# Allegro board HB1A-AAFM.brd (continued)
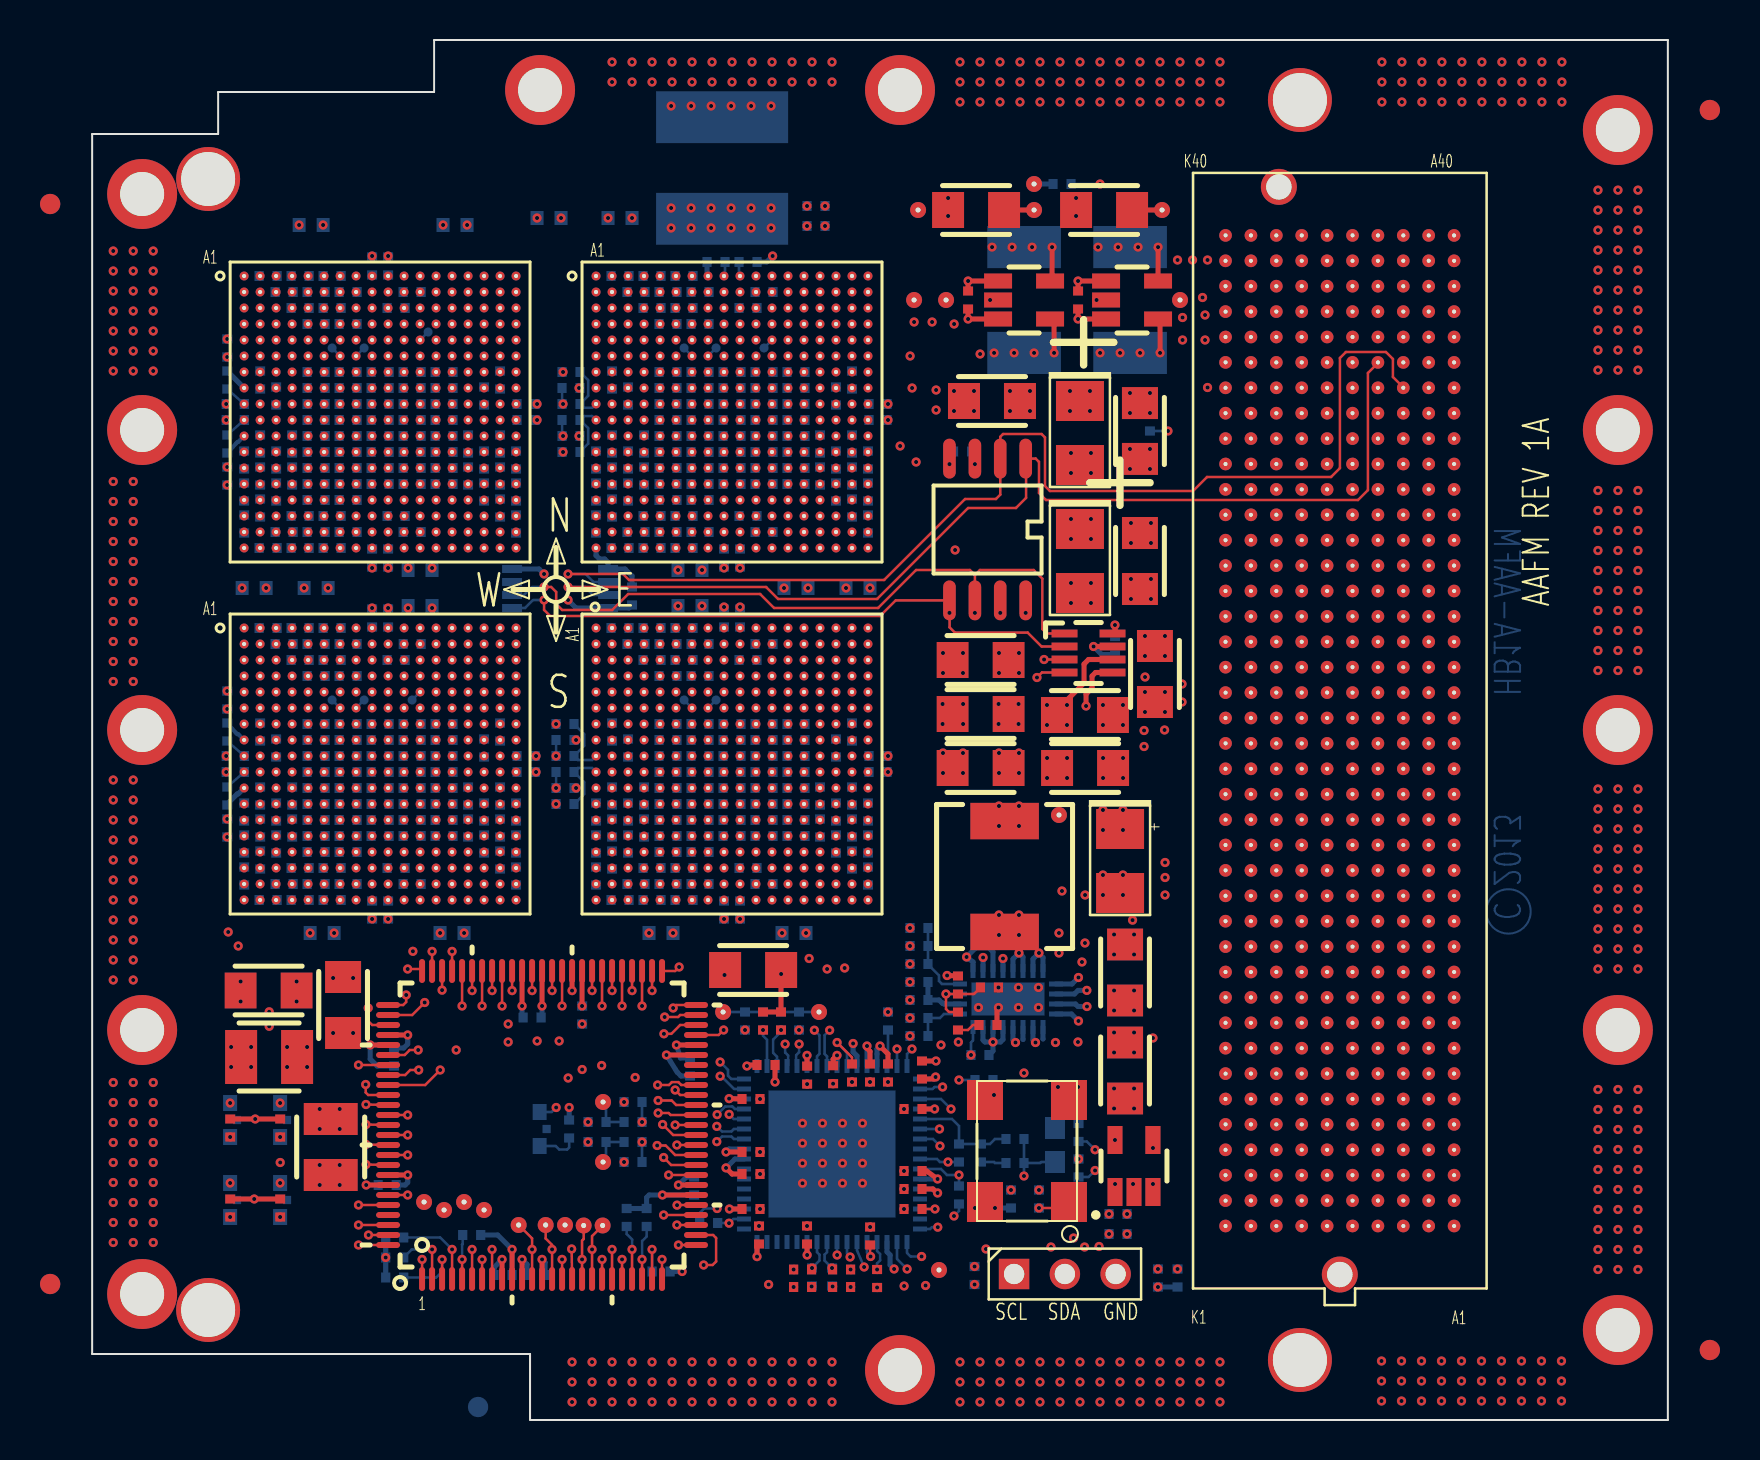
[diagram p0: board, top side]
## Footprints (pads in the part's own frame, mm; a bottom-side part is the same pattern mirrored in y, then rotated) (continued)

## Nets
GND: C1.2 C2.2 C3.2 C4.2 C5.2 C6.2 C7.2 C8.2 C9.2 C10.2 C11.2 C12.2 C13.2 C14.2 C15.2 C16.2 C17.2 C18.2 C19.2 C20.2 C21.2 C22.2 C23.2 C24.2 C25.2 C26.2 C27.2 C28.2 C29.2 C30.2 C31.2 C32.2 C33.2 C34.2 C35.2 C36.2 C37.2 C38.1 C39.2 C40.2 C41.2 C42.2 C43.2 C46.2 C47.2 C49.2 C50.2 C51.2 C52.2 C53.2 C54.2 C55.2 C56.2 C57.2 C58.2 C59.2 C60.2 C61.2 C62.2 C63.2 C64.2 C65.2 C66.2 C67.2 C68.2 C69.2 C70.2 C71.2 C72.2 C73.2 C74.2 C75.2 C76.2 C77.2 C78.2 C79.2 C80.2 C81.2 C82.2 C83.2 C84.2 C85.2 C86.2 C87.2 C88.2 C89.2 C90.2 C91.2 C92.2 C93.2 C94.2 C95.2 C96.2 C97.2 C98.2 C99.2 C100.2 C101.2 C102.2 C103.2 C104.2 C105.2 C106.2 C107.2 C108.2 C109.2 C110.2 C111.2 C112.2 C113.2 C114.2 C115.2 C116.2 C117.2 C118.2 C119.2 C120.2 C121.2 C122.2 C123.2 C124.2 C125.2 C126.2 C127.2 C128.2 C129.2 C130.2 C131.2 C132.2 C133.2 C134.2 C135.2 C136.2 C137.2 C138.2 C139.2 C140.2 C141.2 C142.2 C143.2 C144.2 C145.2 C146.2 C147.2 C148.2 C149.2 C150.2 C151.2 C152.2 C153.2 C154.2 C155.2 C156.2 C157.2 C158.2 C159.2 C160.2 C161.2 C162.2 C163.2 C164.2 C165.2 C166.2 C167.2 C168.2 C169.2 C170.2 C171.2 C172.2 C173.2 C174.2 C175.2 C176.2 C177.2 C178.2 C179.2 C180.2 C181.2 C182.2 C183.2 C184.2 C185.2 C186.2 C187.2 C188.2 C189.2 C190.2 C191.2 C192.2 C193.2 C194.2 C195.2 C196.2 C197.2 C198.2 C199.2 C200.2 C201.2 C202.2 C203.2 C204.2 C205.2 C206.2 C207.2 C208.2 C209.2 C210.2 C211.2 C212.2 C213.2 C214.2 C215.2 C216.2 C217.2 C218.2 C219.2 C220.2 C221.2 C222.2 C223.2 C224.2 C225.2 C226.2 C227.2 C228.2 C229.2 C230.2 C231.2 C232.2 C233.2 J1.3 P1.A1(GND#A1) P1.A4(GND#A4) P1.A5(GND#A5) P1.A8(GND#A8) P1.A9(GND#A9) P1.A12(GND#A12) P1.A13(GND#A13) P1.A16(GND#A16) P1.A17(GND#A17) P1.A20(GND#A20) P1.A21(GND#A21) P1.A24(GND#A24) P1.A25(GND#A25) P1.A28(GND#A28) P1.A29(GND#A29) P1.A32(GND#A32) P1.A33(GND#A33) P1.A36(GND#A36) P1.A37(GND#A37) P1.A40(GND#A40) P1.B2(GND#B2) P1.B3(GND#B3) P1.B6(GND#B6) P1.B7(GND#B7) P1.B10(GND#B10) P1.B11(GND#B11) P1.B14(GND#B14) P1.B15(GND#B15) P1.B18(GND#B18) P1.B19(GND#B19) P1.B22(GND#B22) P1.B23(GND#B23) P1.B26(GND#B26) P1.B27(GND#B27) P1.B30(GND#B30) P1.B31(GND#B31) P1.B34(GND#B34) P1.B35(GND#B35) P1.B38(GND#B38) P1.B39(GND#B39) P1.C1(GND#C1) P1.C4(GND#C4) P1.C5(GND#C5) P1.C8(GND#C8) P1.C9(GND#C9) P1.C12(GND#C12) P1.C13(GND#C13) P1.C16(GND#C16) P1.C17(GND#C17) P1.C20(GND#C20) P1.C21(GND#C21) P1.C24(GND#C24) P1.C25(GND#C25) P1.C28(GND#C28) P1.C29(GND#C29) P1.C32(GND#C32) P1.C33(GND#C33) P1.C36(GND#C36) P1.C38(GND#C38) P1.C40(GND#C40) P1.D2(GND#D2) P1.D3(GND#D3) P1.D6(GND#D6) P1.D7(GND#D7) P1.D10(GND#D10) P1.D13(GND#D13) P1.D16(GND#D16) P1.D19(GND#D19) P1.D22(GND#D22) P1.D25(GND#D25) P1.D28(GND#D28) P1.D37(GND#D37) P1.D39(GND#D39) P1.E1(GND#E1) P1.E4(GND#E4) P1.E5(GND#E5) P1.E8(GND#E8) P1.E11(GND#E11) P1.E14(GND#E14) P1.E17(GND#E17) P1.E20(GND#E20) P1.E23(GND#E23) P1.E26(GND#E26) P1.E29(GND#E29) P1.E32(GND#E32) P1.E35(GND#E35) P1.E38(GND#E38) P1.E40(GND#E40) P1.F2(GND#F2) P1.F3(GND#F3) P1.F6(GND#F6) P1.F9(GND#F9) P1.F12(GND#F12) P1.F15(GND#F15) P1.F18(GND#F18) P1.F21(GND#F21) P1.F24(GND#F24) P1.F27(GND#F27) P1.F30(GND#F30) P1.F33(GND#F33) P1.F36(GND#F36) P1.F39(GND#F39) P1.G1(GND#G1) P1.G4(GND#G4) P1.G5(GND#G5) P1.G8(GND#G8) P1.G11(GND#G11) P1.G14(GND#G14) P1.G17(GND#G17) P1.G20(GND#G20) P1.G23(GND#G23) P1.G26(GND#G26) P1.G29(GND#G29) P1.G32(GND#G32) P1.G35(GND#G35) P1.G38(GND#G38) P1.G40(GND#G40) P1.H2(PRSNT_M2C_L) P1.H3(GND#H3) P1.H6(GND#H6) P1.H9(GND#H9) P1.H12(GND#H12) P1.H15(GND#H15) P1.H18(GND#H18) P1.H21(GND#H21) P1.H24(GND#H24) P1.H27(GND#H27) P1.H30(GND#H30) P1.H33(GND#H33) P1.H36(GND#H36) P1.H39(GND#H39) P1.J1(GND#J1) P1.J4(GND#J4) P1.J5(GND#J5) P1.J8(GND#J8) P1.J11(GND#J11) P1.J14(GND#J14) P1.J17(GND#J17) P1.J20(GND#J20) P1.J23(GND#J23) P1.J26(GND#J26) P1.J29(GND#J29) P1.J32(GND#J32) P1.J35(GND#J35) P1.J38(GND#J38) P1.J40(GND#J40) P1.K2(GND#K2) P1.K3(GND#K3) P1.K6(GND#K6) P1.K9(GND#K9) P1.K12(GND#K12) P1.K15(GND#K15) P1.K18(GND#K18) P1.K21(GND#K21) P1.K24(GND#K24) P1.K27(GND#K27) P1.K30(GND#K30) P1.K33(GND#K33) P1.K36(GND#K36) P1.K39(GND#K39) R1.2 R7.2 R12.2 R13.2 R29.2 R31.2 R32.2 R34.2 R35.1 R37.1 R66.2 R80.2 R81.1 R83.1 R85.1 R87.1 R88.1 R151.2 R152.2 R159.2 R164.2 R165.2 R170.2 R171.1 R173.1 R195.1 R200.1 R201.1 R202.1 R211.1 R213.1 R215.1 R217.1 R283.2 R288.2 R289.2 R294.2 R295.1 R296.1 R299.2 R301.1 R303.1 R307.2 TP9.1(TP) U1.1(GND) U2.1(GND) U3.A1(VSS#A1) U3.A8(VSS#A8) U3.A11(VSS#A11) U3.A18(VSS#A18) U3.B2(VSS#B2) U3.B17(VSS#B17) U3.C3(VSS#C3) U3.C16(VSS#C16) U3.D4(VSS#D4) U3.D15(VSS#D15) U3.E5(VSS#E5) U3.E6(VSS#E6) U3.E13(VSS#E13) U3.E14(VSS#E14) U3.F5(VSS#F5) U3.F6(VSS#F6) U3.F13(VSS#F13) U3.F14(VSS#F14) U3.G6(VSS#G6) U3.G8(VSS#G8) U3.G10(VSS#G10) U3.G12(VSS#G12) U3.G14(VSS#G14) U3.H1(VSS#H1) U3.H5(VSS#H5) U3.H7(VSS#H7) U3.H9(VSS#H9) U3.H11(VSS#H11) U3.H13(VSS#H13) U3.H18(VSS#H18) U3.J6(VSS#J6) U3.J8(VSS#J8) U3.J10(VSS#J10) U3.J12(VSS#J12) U3.J14(VSS#J14) U3.K5(VSS#K5) U3.K7(VSS#K7) U3.K9(VSS#K9) U3.K11(VSS#K11) U3.K13(VSS#K13) U3.L1(VSS#L1) U3.L6(VSS#L6) U3.L8(VSS#L8) U3.L10(VSS#L10) U3.L12(VSS#L12) U3.L14(VSS#L14) U3.L18(VSS#L18) U3.M5(VSS#M5) U3.M7(VSS#M7) U3.M9(VSS#M9) U3.M11(VSS#M11) U3.M13(VSS#M13) U3.N6(VSS#N6) U3.N8(VSS#N8) U3.N10(VSS#N10) U3.N12(VSS#N12) U3.N14(VSS#N14) U3.P5(VSS#P5) U3.P7(VSS#P7) U3.P9(VSS#P9) U3.P11(VSS#P11) U3.P13(VSS#P13) U3.R4(VSS#R4) U3.R15(VSS#R15) U3.T3(VSS#T3) U3.T16(VSS#T16) U3.U2(VSS#U2) U3.U17(VSS#U17) U3.V1(VSS#V1) U3.V8(VSS#V8) U3.V11(VSS#V11) U3.V18(VSS#V18) U4.A1(VSS#A1) U4.A8(VSS#A8) U4.A11(VSS#A11) U4.A18(VSS#A18) U4.B2(VSS#B2) U4.B17(VSS#B17) U4.C3(VSS#C3) U4.C16(VSS#C16) U4.D4(VSS#D4) U4.D15(VSS#D15) U4.E5(VSS#E5) U4.E6(VSS#E6) U4.E13(VSS#E13) U4.E14(VSS#E14) U4.F5(VSS#F5) U4.F6(VSS#F6) U4.F13(VSS#F13) U4.F14(VSS#F14) U4.G6(VSS#G6) U4.G8(VSS#G8) U4.G10(VSS#G10) U4.G12(VSS#G12) U4.G14(VSS#G14) U4.H1(VSS#H1) U4.H5(VSS#H5) U4.H7(VSS#H7) U4.H9(VSS#H9) U4.H11(VSS#H11) U4.H13(VSS#H13) U4.H18(VSS#H18) U4.J6(VSS#J6) U4.J8(VSS#J8) U4.J10(VSS#J10) U4.J12(VSS#J12) U4.J14(VSS#J14) U4.K5(VSS#K5) U4.K7(VSS#K7) U4.K9(VSS#K9) U4.K11(VSS#K11) U4.K13(VSS#K13) U4.L1(VSS#L1) U4.L6(VSS#L6) U4.L8(VSS#L8) U4.L10(VSS#L10) U4.L12(VSS#L12) U4.L14(VSS#L14) U4.L18(VSS#L18) U4.M5(VSS#M5) U4.M7(VSS#M7) U4.M9(VSS#M9) U4.M11(VSS#M11) U4.M13(VSS#M13) U4.N6(VSS#N6) U4.N8(VSS#N8) U4.N10(VSS#N10) U4.N12(VSS#N12) U4.N14(VSS#N14) U4.P5(VSS#P5) U4.P7(VSS#P7) U4.P9(VSS#P9) U4.P11(VSS#P11) U4.P13(VSS#P13) U4.R4(VSS#R4) U4.R15(VSS#R15) U4.T3(VSS#T3) U4.T16(VSS#T16) U4.U2(VSS#U2) U4.U17(VSS#U17) U4.V1(VSS#V1) U4.V8(VSS#V8) U4.V11(VSS#V11) U4.V18(VSS#V18) U5.4(GND) U5.7(WP) U6.7(GND) U7.A1(VSS#A1) U7.A8(VSS#A8) U7.A11(VSS#A11) U7.A18(VSS#A18) U7.B2(VSS#B2) U7.B17(VSS#B17) U7.C3(VSS#C3) U7.C16(VSS#C16) U7.D4(VSS#D4) U7.D15(VSS#D15) U7.E5(VSS#E5) U7.E6(VSS#E6) U7.E13(VSS#E13) U7.E14(VSS#E14) U7.F5(VSS#F5) U7.F6(VSS#F6) U7.F13(VSS#F13) U7.F14(VSS#F14) U7.G6(VSS#G6) U7.G8(VSS#G8) U7.G10(VSS#G10) U7.G12(VSS#G12) U7.G14(VSS#G14) U7.H1(VSS#H1) U7.H5(VSS#H5) U7.H7(VSS#H7) U7.H9(VSS#H9) U7.H11(VSS#H11) U7.H13(VSS#H13) U7.H18(VSS#H18) U7.J6(VSS#J6) U7.J8(VSS#J8) U7.J10(VSS#J10) U7.J12(VSS#J12) U7.J14(VSS#J14) U7.K5(VSS#K5) U7.K7(VSS#K7) U7.K9(VSS#K9) U7.K11(VSS#K11) U7.K13(VSS#K13) U7.L1(VSS#L1) U7.L6(VSS#L6) U7.L8(VSS#L8) U7.L10(VSS#L10) U7.L12(VSS#L12) U7.L14(VSS#L14) U7.L18(VSS#L18) U7.M5(VSS#M5) U7.M7(VSS#M7) U7.M9(VSS#M9) U7.M11(VSS#M11) U7.M13(VSS#M13) U7.N6(VSS#N6) U7.N8(VSS#N8) U7.N10(VSS#N10) U7.N12(VSS#N12) U7.N14(VSS#N14) U7.P5(VSS#P5) U7.P7(VSS#P7) U7.P9(VSS#P9) U7.P11(VSS#P11) U7.P13(VSS#P13) U7.R4(VSS#R4) U7.R15(VSS#R15) U7.T3(VSS#T3) U7.T16(VSS#T16) U7.U2(VSS#U2) U7.U17(VSS#U17) U7.V1(VSS#V1) U7.V8(VSS#V8) U7.V11(VSS#V11) U7.V18(VSS#V18) U8.A1(VSS#A1) U8.A8(VSS#A8) U8.A11(VSS#A11) U8.A18(VSS#A18) U8.B2(VSS#B2) U8.B17(VSS#B17) U8.C3(VSS#C3) U8.C16(VSS#C16) U8.D4(VSS#D4) U8.D15(VSS#D15) U8.E5(VSS#E5) U8.E6(VSS#E6) U8.E13(VSS#E13) U8.E14(VSS#E14) U8.F5(VSS#F5) U8.F6(VSS#F6) U8.F13(VSS#F13) U8.F14(VSS#F14) U8.G6(VSS#G6) U8.G8(VSS#G8) U8.G10(VSS#G10) U8.G12(VSS#G12) U8.G14(VSS#G14) U8.H1(VSS#H1) U8.H5(VSS#H5) U8.H7(VSS#H7) U8.H9(VSS#H9) U8.H11(VSS#H11) U8.H13(VSS#H13) U8.H18(VSS#H18) U8.J6(VSS#J6) U8.J8(VSS#J8) U8.J10(VSS#J10) U8.J12(VSS#J12) U8.J14(VSS#J14) U8.K5(VSS#K5) U8.K7(VSS#K7) U8.K9(VSS#K9) U8.K11(VSS#K11) U8.K13(VSS#K13) U8.L1(VSS#L1) U8.L6(VSS#L6) U8.L8(VSS#L8) U8.L10(VSS#L10) U8.L12(VSS#L12) U8.L14(VSS#L14) U8.L18(VSS#L18) U8.M5(VSS#M5) U8.M7(VSS#M7) U8.M9(VSS#M9) U8.M11(VSS#M11) U8.M13(VSS#M13) U8.N6(VSS#N6) U8.N8(VSS#N8) U8.N10(VSS#N10) U8.N12(VSS#N12) U8.N14(VSS#N14) U8.P5(VSS#P5) U8.P7(VSS#P7) U8.P9(VSS#P9) U8.P11(VSS#P11) U8.P13(VSS#P13) U8.R4(VSS#R4) U8.R15(VSS#R15) U8.T3(VSS#T3) U8.T16(VSS#T16) U8.U2(VSS#U2) U8.U17(VSS#U17) U8.V1(VSS#V1) U8.V8(VSS#V8) U8.V11(VSS#V11) U8.V18(VSS#V18) U9.10(GNDIO#10) U9.11(GNDINT#11) U9.32(GNDIO#32) U9.46(GNDIO#46) U9.60(GNDIO#60) U9.65(GNDINT#65) U9.79(GNDIO#79) U9.93(GNDIO#93) U10.2(GND) U11.1(SRLIM/DDR) U11.3(SGND) U11.9(NC_9) U11.12(NC_12) U11.25(PGND (PAD)) U12.19(GND#19) U12.59(GND#59) U12.65(EP) U13.4(GND) U13.5(A2) X1.2(GND)
GND_EARTH: FH1.1(TP) FH2.1(TP) FH3.1(TP) FH4.1(TP) FH5.1(TP) FH6.1(TP) FH7.1(TP) FH8.1(TP) FH9.1(TP) FH10.1(TP) FH11.1(TP) FH12.1(TP) FH13.1(TP) R87.2 SO1.1(TP) SO2.1(TP) SO3.1(TP) SO4.1(TP)
P1V0: C3.1 C52.1 C54.1 C56.1 C58.1 C61.1 C63.1 C65.1 C69.1 C70.1 C71.1 C72.1 C73.1 C74.1 C77.1 C78.1 C79.1 C80.1 C81.1 C82.1 C85.1 C86.1 C87.1 C88.1 C89.1 C90.1 C93.1 C94.1 C95.1 C96.1 C97.1 C98.1 C101.1 C102.1 C103.1 C104.1 C105.1 C106.1 C109.1 C110.1 C111.1 C112.1 C113.1 C114.1 C117.1 C120.1 C122.1 C124.1 C128.1 C130.1 C132.1 C135.1 C138.1 C144.1 C148.1 C150.1 C152.1 C156.1 C158.1 C160.1 C162.1 C165.1 C166.1 C167.1 C168.1 C169.1 C170.1 C173.1 C174.1 C175.1 C176.1 C177.1 C178.1 C183.1 C184.1 C185.1 C186.1 C187.1 C188.1 C191.1 C192.1 C193.1 C194.1 C195.1 C196.1 C199.1 C200.1 C201.1 C202.1 C203.1 C204.1 C207.1 C208.1 C209.1 C210.1 C211.1 C212.1 C214.1 C216.1 C218.1 C220.1 C225.1 C227.1 C229.1 C233.1 R21.2 TP3.1(TP) U2.5(RS-) U3.H6(VDD#H6) U3.H8(VDD#H8) U3.H10(VDD#H10) U3.H12(VDD#H12) U3.J7(VDD#J7) U3.J9(VDD#J9) U3.J11(VDD#J11) U3.J13(VDD#J13) U3.K6(VDD#K6) U3.K8(VDD#K8) U3.K10(VDD#K10) U3.K12(VDD#K12) U3.L7(VDD#L7) U3.L9(VDD#L9) U3.L11(VDD#L11) U3.L13(VDD#L13) U3.M6(VDD#M6) U3.M8(VDD#M8) U3.M10(VDD#M10) U3.M12(VDD#M12) U3.N7(VDD#N7) U3.N9(VDD#N9) U3.N11(VDD#N11) U3.N13(VDD#N13) U4.H6(VDD#H6) U4.H8(VDD#H8) U4.H10(VDD#H10) U4.H12(VDD#H12) U4.J7(VDD#J7) U4.J9(VDD#J9) U4.J11(VDD#J11) U4.J13(VDD#J13) U4.K6(VDD#K6) U4.K8(VDD#K8) U4.K10(VDD#K10) U4.K12(VDD#K12) U4.L7(VDD#L7) U4.L9(VDD#L9) U4.L11(VDD#L11) U4.L13(VDD#L13) U4.M6(VDD#M6) U4.M8(VDD#M8) U4.M10(VDD#M10) U4.M12(VDD#M12) U4.N7(VDD#N7) U4.N9(VDD#N9) U4.N11(VDD#N11) U4.N13(VDD#N13) U7.H6(VDD#H6) U7.H8(VDD#H8) U7.H10(VDD#H10) U7.H12(VDD#H12) U7.J7(VDD#J7) U7.J9(VDD#J9) U7.J11(VDD#J11) U7.J13(VDD#J13) U7.K6(VDD#K6) U7.K8(VDD#K8) U7.K10(VDD#K10) U7.K12(VDD#K12) U7.L7(VDD#L7) U7.L9(VDD#L9) U7.L11(VDD#L11) U7.L13(VDD#L13) U7.M6(VDD#M6) U7.M8(VDD#M8) U7.M10(VDD#M10) U7.M12(VDD#M12) U7.N7(VDD#N7) U7.N9(VDD#N9) U7.N11(VDD#N11) U7.N13(VDD#N13) U8.H6(VDD#H6) U8.H8(VDD#H8) U8.H10(VDD#H10) U8.H12(VDD#H12) U8.J7(VDD#J7) U8.J9(VDD#J9) U8.J11(VDD#J11) U8.J13(VDD#J13) U8.K6(VDD#K6) U8.K8(VDD#K8) U8.K10(VDD#K10) U8.K12(VDD#K12) U8.L7(VDD#L7) U8.L9(VDD#L9) U8.L11(VDD#L11) U8.L13(VDD#L13) U8.M6(VDD#M6) U8.M8(VDD#M8) U8.M10(VDD#M10) U8.M12(VDD#M12) U8.N7(VDD#N7) U8.N9(VDD#N9) U8.N11(VDD#N11) U8.N13(VDD#N13)
P1V0_LOC: C11.1 C12.1 C13.1 C14.1 C15.1 L1.2 R21.1 R30.1 TP6.1(TP) U2.4(RS+) U6.6(VIN3/VREF)
P2V5: C1.1 C49.1 C50.1 C51.1 C53.1 C55.1 C57.1 C59.1 C60.1 C62.1 C64.1 C66.1 C67.1 C68.1 C75.1 C76.1 C83.1 C84.1 C91.1 C92.1 C99.1 C100.1 C107.1 C108.1 C115.1 C116.1 C119.1 C121.1 C123.1 C125.1 C126.1 C127.1 C129.1 C131.1 C133.1 C134.1 C140.1 C145.1 C146.1 C147.1 C149.1 C151.1 C153.1 C154.1 C155.1 C157.1 C159.1 C161.1 C163.1 C164.1 C171.1 C172.1 C179.1 C182.1 C189.1 C190.1 C197.1 C198.1 C205.1 C206.1 C213.1 C215.1 C217.1 C219.1 C221.1 C222.1 C223.1 C224.1 C226.1 C228.1 C230.1 C231.1 C232.1 R20.2 R36.1 R38.1 R74.1 R82.1 R84.1 R86.1 R172.1 R174.1 R210.1 R212.1 R216.1 R218.1 TP7.1(TP) U1.5(RS-) U3.G5(DVDD#G5) U3.G7(DVDD#G7) U3.G9(DVDD#G9) U3.G11(DVDD#G11) U3.G13(DVDD#G13) U3.H14(DVDD#H14) U3.J5(DVDD#J5) U3.K14(DVDD#K14) U3.L5(DVDD#L5) U3.M14(DVDD#M14) U3.N5(DVDD#N5) U3.P6(DVDD#P6) U3.P8(DVDD#P8) U3.P10(DVDD#P10) U3.P12(DVDD#P12) U3.P14(DVDD#P14) U4.G5(DVDD#G5) U4.G7(DVDD#G7) U4.G9(DVDD#G9) U4.G11(DVDD#G11) U4.G13(DVDD#G13) U4.H14(DVDD#H14) U4.J5(DVDD#J5) U4.K14(DVDD#K14) U4.L5(DVDD#L5) U4.M14(DVDD#M14) U4.N5(DVDD#N5) U4.P6(DVDD#P6) U4.P8(DVDD#P8) U4.P10(DVDD#P10) U4.P12(DVDD#P12) U4.P14(DVDD#P14) U7.G5(DVDD#G5) U7.G7(DVDD#G7) U7.G9(DVDD#G9) U7.G11(DVDD#G11) U7.G13(DVDD#G13) U7.H14(DVDD#H14) U7.J5(DVDD#J5) U7.K14(DVDD#K14) U7.L5(DVDD#L5) U7.M14(DVDD#M14) U7.N5(DVDD#N5) U7.P6(DVDD#P6) U7.P8(DVDD#P8) U7.P10(DVDD#P10) U7.P12(DVDD#P12) U7.P14(DVDD#P14) U8.G5(DVDD#G5) U8.G7(DVDD#G7) U8.G9(DVDD#G9) U8.G11(DVDD#G11) U8.G13(DVDD#G13) U8.H14(DVDD#H14) U8.J5(DVDD#J5) U8.K14(DVDD#K14) U8.L5(DVDD#L5) U8.M14(DVDD#M14) U8.N5(DVDD#N5) U8.P6(DVDD#P6) U8.P8(DVDD#P8) U8.P10(DVDD#P10) U8.P12(DVDD#P12) U8.P14(DVDD#P14)
P3V3: C2.1 C4.1 C7.1 C8.1 C9.1 C16.1 C17.1 C18.1 C20.1 C22.1 C23.1 C24.1 C25.1 C26.1 C27.1 C28.1 C29.1 C31.1 C32.1 C33.1 C34.1 C35.1 C37.1 C39.1 C40.1 C41.1 C46.1 P1.C39(3P3V) P1.D36(3P3V#D36) P1.D38(3P3V#D38) P1.D40(3P3V#D40) R2.1 R3.2 R4.2 R6.1 R8.1 R9.1 R10.1 R11.1 R14.2 R16.2 R19.1 R24.1 R25.2 R27.1 R33.1 R53.2 R67.2 R129.2 R132.2 R160.2 R163.2 R166.2 R169.2 R284.2 R287.2 R290.2 R293.2 TP5.1(TP) U1.3(VCC) U2.3(VCC) U10.1(VCC) U11.2(RT/SYNC) U11.4(PVIN#4) U11.10(PVIN#10) U11.11(PVIN#11) U11.17(PVIN#17) U11.18(SVIN) U11.19(RUN) U12.1(VS#1) U12.4(VCP) U12.11(VS#11) U12.12(VS#12) U12.27(VS_DRV#27) U12.32(VS#32) U12.35(VS_DRV#35) U12.40(VS#40) U12.41(VS#41) U12.46(VS_DRV#46) U12.49(VS#49) U12.54(VS_DRV#54) U12.57(VS#57) U12.60(VS#60) U12.61(VS#61) X1.4(VDD)
P3V3_AUX: C10.1 C42.1 C47.1 C137.1 P1.D32(3P3VAUX) U5.3(A2) U5.8(VCC) U6.8(VDD) U13.8(+VS)
12P0V: P1.C35(12P0V#C35) P1.C37(12P0V#C37)
CLK_CPLD_CTRL_0: U9.73(IO_B1_73) U12.7(REF_SEL)
CLK_CPLD_CTRL_1: U9.74(IO_B1_74) U12.22(EEPROM)
CLK_CPLD_CTRL_2: U9.75(IO_B1_75) U12.23(RESET_L)
CLK_CPLD_CTRL_3: U9.76(IO_B1_76) U12.24(PWRDN_L)
CLK_CPLD_CTRL_4: U9.99(IO_B1_99) U12.2(REFMON)
CLK_CPLD_CTRL_5: U9.100(IO_B1_100) U12.3(LOCK)
CLK_DIR: P1.B1(CLK_DIR) R14.1
COMP_1V0: C19.1 R2.2 R5.2 U11.23(ITH)
CPLD_0: TP20.1(TP) U9.17(IO_B0_17)
CPLD_1: TP19.1(TP) U9.18(IO_B0_18)
CPLD_CLK: R79.2 U9.62(GCLK2P)
CPLD_GCLK_0: TP23.1(TP) U9.12(GCLK0P)
CPLD_GCLK_1: TP22.1(TP) U9.14(GCLK1P)
CURRENT_VCORE: TP4.1(TP) U2.2(OUT) U6.4(VIN1)
CURRENT_VIO: TP2.1(TP) U1.2(OUT) U6.3(VIN0)
FMC_CLK0_M2C_N: P1.H5(CLK0_M2C_N) R12.1 R65.2
FMC_CLK0_M2C_P: P1.H4(CLK0_M2C_P) R13.1 R60.2
FMC_CLK1_M2C_N: P1.G3(CLK1_M2C_N) R306.1
FMC_CLK1_M2C_P: P1.G2(CLK1_M2C_P) R307.1
FMC_CLK2_BIDIR_N: P1.K5(CLK2_BIDIR_N) U10.4(B)
FMC_CLK2_BIDIR_P: P1.K4(CLK2_BIDIR_P) U10.3(A)
FMC_CLK3_BIDIR_N: P1.J3(CLK3_BIDIR_N)
FMC_CLK3_BIDIR_P: P1.J2(CLK3_BIDIR_P)
FMC_GA_0: P1.C34(GA0) U5.2(A1) U13.6(A1)
FMC_GA_1: P1.D35(GA1) U5.1(A0) U13.7(A0)
FMC_LA_N_12: P1.G16(LA12_N) U9.29(IO_B0_29)
FMC_LA_N_13: P1.D18(LA13_N) U9.30(IO_B0_30)
FMC_LA_N_14: P1.C19(LA14_N) U9.33(IO_B0_33)
FMC_LA_N_15: P1.H20(LA15_N) U9.34(IO_B0_34)
FMC_LA_N_16: P1.G19(LA16_N) U9.16(IO_B0_16)
FMC_LA_N_29: P1.G31(LA29_N) U9.42(IO_B0_42)
FMC_LA_N_30: P1.H35(LA30_N) U9.47(IO_B0_47)
FMC_LA_N_31: P1.G34(LA31_N) U9.48(IO_B0_48)
FMC_LA_N_32: J1.1 P1.H38(LA32_N) R25.1 U12.16(SCLK_SCL)
FMC_LA_N_33: J1.2 P1.G37(LA33_N) R16.1 U12.17(SDIO_SDA)
FMC_LA_P_12: P1.G15(LA12_P) U9.49(IO_B0_49)
FMC_LA_P_13: P1.D17(LA13_P) U9.28(IO_B0_28)
FMC_LA_P_14: P1.C18(LA14_P) U9.50(IO_B0_50)
FMC_LA_P_15: P1.H19(LA15_P) U9.51(IO_B0_51)
FMC_LA_P_16: P1.G18(LA16_P) U9.38(IO_B0_38)
FMC_LA_P_29: P1.G30(LA29_P) U9.39(IO_B0_39)
FMC_LA_P_30: P1.H34(LA30_P) U9.40(IO_B0_40)
FMC_LA_P_31: P1.G33(LA31_P) U9.41(IO_B0_41)
FMC_LA_P_32: P1.H37(LA32_P) U9.35(IO_B0_35)
FMC_LA_P_33: P1.G36(LA33_P) U9.36(IO_B0_36)
FMC_PG_C2M: P1.D1(PG_C2M) U9.64(GCLK3P)
FMC_PG_M2C: P1.F1(PG_M2C) U9.37(IO_B0_37)
FMC_SCL: P1.C30(SCL) U5.6(SCL) U6.1(SCL) U13.2(SCL)
FMC_SDA: P1.C31(SDA) U5.5(SDA) U6.2(SDA) U13.1(SDA)
FMC_TCK: P1.D29(TCK) R299.1 U9.24(TCK)
FMC_TDI: P1.D30(TDI) R298.1 U9.23(TDI)
FMC_TDO: P1.D31(TDO) U9.25(TDO)
FMC_TMS: P1.D33(TMS) R297.1 U9.22(TMS)
GBTCLK0_M2C_N: P1.D5(GBTCLK0_M2C_N) R302.2
GBTCLK0_M2C_P: P1.D4(GBTCLK0_M2C_P) R303.2
GBTCLK1_M2C_N: P1.B21(GBTCLK1_M2C_N) R300.2
GBTCLK1_M2C_P: P1.B20(GBTCLK1_M2C_P) R301.2
LED1: D5.C U9.19(IO_B0_19)
LED2: D3.C U9.20(IO_B0_20)
LED3: D4.C U9.21(IO_B0_21)
LED4: D1.C U9.26(IO_B0_26)
LED5: D2.C U9.27(IO_B0_27)
LEFT_CCLK_STUB_N: R73.2 R80.1 TP12.1(TP)
LEFT_CCLK_STUB_P: R66.1 R68.2 TP10.1(TP)
LL_CCLK_N: R292.2 R294.1 U7.K1(RXI_WE_CCLK_N)
LL_CCLK_P: R289.1 R291.2 U7.J1(RXI_WE_CCLK_P)
LL_CSBI_XID0: U7.F12(CSBI_XID0) U9.77(IO_B1_77)
LL_CSBO_YID0: U7.E10(CSBO_YID0) U9.83(IO_B1_83)
LL_FLAG_DSP: TP29.1(TP) U7.E12(FLAG) U9.8(IO_B0_8)
LL_LL_WW_DATA_N_0: R255.2 U7.H4(TXO_WE_DATA_N0) U7.U1(RXI_WE_DATA_N0)
LL_LL_WW_DATA_N_1: R262.2 U7.G3(TXO_WE_DATA_N1) U7.T2(RXI_WE_DATA_N1)
LL_LL_WW_DATA_N_2: R275.2 U7.F2(TXO_WE_DATA_N2) U7.R3(RXI_WE_DATA_N2)
LL_LL_WW_DATA_N_3: R281.2 U7.E1(TXO_WE_DATA_N3) U7.P4(RXI_WE_DATA_N3)
LL_LL_WW_DATA_N_4: R254.2 U7.F4(TXO_WE_DATA_N4) U7.R1(RXI_WE_DATA_N4)
LL_LL_WW_DATA_N_5: R261.2 U7.E3(TXO_WE_DATA_N5) U7.P2(RXI_WE_DATA_N5)
LL_LL_WW_DATA_N_6: R274.2 U7.D2(TXO_WE_DATA_N6) U7.N3(RXI_WE_DATA_N6)
LL_LL_WW_DATA_N_7: R280.2 U7.C1(TXO_WE_DATA_N7) U7.M4(RXI_WE_DATA_N7)
LL_LL_WW_DATA_P_0: R255.1 U7.G4(TXO_WE_DATA_P0) U7.T1(RXI_WE_DATA_P0)
LL_LL_WW_DATA_P_1: R262.1 U7.F3(TXO_WE_DATA_P1) U7.R2(RXI_WE_DATA_P1)
LL_LL_WW_DATA_P_2: R275.1 U7.E2(TXO_WE_DATA_P2) U7.P3(RXI_WE_DATA_P2)
LL_LL_WW_DATA_P_3: R281.1 U7.D1(TXO_WE_DATA_P3) U7.N4(RXI_WE_DATA_P3)
LL_LL_WW_DATA_P_4: R254.1 U7.E4(TXO_WE_DATA_P4) U7.P1(RXI_WE_DATA_P4)
LL_LL_WW_DATA_P_5: R261.1 U7.D3(TXO_WE_DATA_P5) U7.N2(RXI_WE_DATA_P5)
LL_LL_WW_DATA_P_6: R274.1 U7.C2(TXO_WE_DATA_P6) U7.M3(RXI_WE_DATA_P6)
LL_LL_WW_DATA_P_7: R280.1 U7.B1(TXO_WE_DATA_P7) U7.L4(RXI_WE_DATA_P7)
LL_LL_WW_FRAME_N: R277.2 U7.K4(TXO_WE_FRAME_N) U7.M2(RXI_WE_FRAME_N)
LL_LL_WW_FRAME_P: R277.1 U7.J4(TXO_WE_FRAME_P) U7.L2(RXI_WE_FRAME_P)
LL_LL_WW_LCLK_N: R282.2 U7.G1(TXO_WE_LCLK_N) U7.N1(RXI_WE_LCLK_N)
LL_LL_WW_LCLK_P: R282.1 U7.F1(TXO_WE_LCLK_P) U7.M1(RXI_WE_LCLK_P)
LL_LL_WW_RD_WAIT_N: R276.2 U7.H2(TXI_WE_RD_WAIT_N) U7.K2(RXO_WE_RD_WAIT_N)
LL_LL_WW_RD_WAIT_P: R276.1 U7.G2(TXI_WE_RD_WAIT_P) U7.J2(RXO_WE_RD_WAIT_P)
LL_LL_WW_WR_WAIT_N: R263.2 U7.J3(TXI_WE_WR_WAIT_N) U7.L3(RXO_WE_WR_WAIT_N)
LL_LL_WW_WR_WAIT_P: R263.1 U7.H3(TXI_WE_WR_WAIT_P) U7.K3(RXO_WE_WR_WAIT_P)
LL_LR_EW_DATA_N_0: R158.2 U7.G15(TXO_EA_DATA_N0) U8.U1(RXI_WE_DATA_N0)
LL_LR_EW_DATA_N_1: R150.2 U7.F16(TXO_EA_DATA_N1) U8.T2(RXI_WE_DATA_N1)
LL_LR_EW_DATA_N_2: R138.2 U7.E17(TXO_EA_DATA_N2) U8.R3(RXI_WE_DATA_N2)
LL_LR_EW_DATA_N_3: R124.2 U7.D18(TXO_EA_DATA_N3) U8.P4(RXI_WE_DATA_N3)
LL_LR_EW_DATA_N_4: R157.2 U7.E15(TXO_EA_DATA_N4) U8.R1(RXI_WE_DATA_N4)
LL_LR_EW_DATA_N_5: R149.2 U7.D16(TXO_EA_DATA_N5) U8.P2(RXI_WE_DATA_N5)
LL_LR_EW_DATA_N_6: R137.2 U7.C17(TXO_EA_DATA_N6) U8.N3(RXI_WE_DATA_N6)
LL_LR_EW_DATA_N_7: R123.2 U7.B18(TXO_EA_DATA_N7) U8.M4(RXI_WE_DATA_N7)
LL_LR_EW_DATA_P_0: R158.1 U7.H15(TXO_EA_DATA_P0) U8.T1(RXI_WE_DATA_P0)
LL_LR_EW_DATA_P_1: R150.1 U7.G16(TXO_EA_DATA_P1) U8.R2(RXI_WE_DATA_P1)
LL_LR_EW_DATA_P_2: R138.1 U7.F17(TXO_EA_DATA_P2) U8.P3(RXI_WE_DATA_P2)
LL_LR_EW_DATA_P_3: R124.1 U7.E18(TXO_EA_DATA_P3) U8.N4(RXI_WE_DATA_P3)
LL_LR_EW_DATA_P_4: R157.1 U7.F15(TXO_EA_DATA_P4) U8.P1(RXI_WE_DATA_P4)
LL_LR_EW_DATA_P_5: R149.1 U7.E16(TXO_EA_DATA_P5) U8.N2(RXI_WE_DATA_P5)
LL_LR_EW_DATA_P_6: R137.1 U7.D17(TXO_EA_DATA_P6) U8.M3(RXI_WE_DATA_P6)
LL_LR_EW_DATA_P_7: R123.1 U7.C18(TXO_EA_DATA_P7) U8.L4(RXI_WE_DATA_P7)
LL_LR_EW_FRAME_N: R148.2 U7.J15(TXO_EA_FRAME_N) U8.M2(RXI_WE_FRAME_N)
LL_LR_EW_FRAME_P: R148.1 U7.K15(TXO_EA_FRAME_P) U8.L2(RXI_WE_FRAME_P)
LL_LR_EW_LCLK_N: R156.2 U7.F18(TXO_EA_LCLK_N) U8.N1(RXI_WE_LCLK_N)
LL_LR_EW_LCLK_P: R156.1 U7.G18(TXO_EA_LCLK_P) U8.M1(RXI_WE_LCLK_P)
LL_LR_EW_RD_WAIT_N: R185.2 U7.G17(TXI_EA_RD_WAIT_N) U8.K2(RXO_WE_RD_WAIT_N)
LL_LR_EW_RD_WAIT_P: R185.1 U7.H17(TXI_EA_RD_WAIT_P) U8.J2(RXO_WE_RD_WAIT_P)
LL_LR_EW_WR_WAIT_N: R192.2 U7.H16(TXI_EA_WR_WAIT_N) U8.L3(RXO_WE_WR_WAIT_N)
LL_LR_EW_WR_WAIT_P: R192.1 U7.J16(TXI_EA_WR_WAIT_P) U8.K3(RXO_WE_WR_WAIT_P)
LL_RESET_L: R200.2 TP25.1(TP) U7.F11(RESET_N) U9.4(IO_B0_4)
LL_SCLKI_XID1: U7.E8(SCLKI_XID1) U9.78(IO_B1_78)
LL_SCLKO_YID1: U7.E11(SCLKO_YID1) U9.84(IO_B1_84)
LL_SDI_XID2: U7.F10(SDI_XID2) U9.81(IO_B1_81)
LL_SDO_YID2: U7.E9(SDO_YID2) U9.85(IO_B1_85)
LL_UL_NS_DATA_N_0: R265.2 U3.V3(RXI_SO_DATA_N0) U7.D11(TXO_NO_DATA_N0)
LL_UL_NS_DATA_N_1: R257.2 U3.U4(RXI_SO_DATA_N1) U7.C12(TXO_NO_DATA_N1)
LL_UL_NS_DATA_N_2: R245.2 U3.T5(RXI_SO_DATA_N2) U7.B13(TXO_NO_DATA_N2)
LL_UL_NS_DATA_N_3: R237.2 U3.R6(RXI_SO_DATA_N3) U7.A14(TXO_NO_DATA_N3)
LL_UL_NS_DATA_N_4: R246.2 U3.V5(RXI_SO_DATA_N4) U7.D13(TXO_NO_DATA_N4)
LL_UL_NS_DATA_N_5: R238.2 U3.U6(RXI_SO_DATA_N5) U7.C14(TXO_NO_DATA_N5)
LL_UL_NS_DATA_N_6: R229.2 U3.T7(RXI_SO_DATA_N6) U7.B15(TXO_NO_DATA_N6)
LL_UL_NS_DATA_N_7: R221.2 U3.R8(RXI_SO_DATA_N7) U7.A16(TXO_NO_DATA_N7)
LL_UL_NS_DATA_P_0: R265.1 U3.V2(RXI_SO_DATA_P0) U7.D12(TXO_NO_DATA_P0)
LL_UL_NS_DATA_P_1: R257.1 U3.U3(RXI_SO_DATA_P1) U7.C13(TXO_NO_DATA_P1)
LL_UL_NS_DATA_P_2: R245.1 U3.T4(RXI_SO_DATA_P2) U7.B14(TXO_NO_DATA_P2)
LL_UL_NS_DATA_P_3: R237.1 U3.R5(RXI_SO_DATA_P3) U7.A15(TXO_NO_DATA_P3)
LL_UL_NS_DATA_P_4: R246.1 U3.V4(RXI_SO_DATA_P4) U7.D14(TXO_NO_DATA_P4)
LL_UL_NS_DATA_P_5: R238.1 U3.U5(RXI_SO_DATA_P5) U7.C15(TXO_NO_DATA_P5)
LL_UL_NS_DATA_P_6: R229.1 U3.T6(RXI_SO_DATA_P6) U7.B16(TXO_NO_DATA_P6)
LL_UL_NS_DATA_P_7: R221.1 U3.R7(RXI_SO_DATA_P7) U7.A17(TXO_NO_DATA_P7)
LL_UL_NS_FRAME_N: R222.2 U3.U8(RXI_SO_FRAME_N) U7.D9(TXO_NO_FRAME_N)
LL_UL_NS_FRAME_P: R222.1 U3.U7(RXI_SO_FRAME_P) U7.D10(TXO_NO_FRAME_P)
LL_UL_NS_LCLK_N: R230.2 U3.V7(RXI_SO_LCLK_N) U7.A12(TXO_NO_LCLK_N)
LL_UL_NS_LCLK_P: R230.1 U3.V6(RXI_SO_LCLK_P) U7.A13(TXO_NO_LCLK_P)
LL_UL_NS_RD_WAIT_N: R214.2 U3.U10(RXO_SO_RD_WAIT_N) U7.B11(TXI_NO_RD_WAIT_N)
LL_UL_NS_RD_WAIT_P: R214.1 U3.U9(RXO_SO_RD_WAIT_P) U7.B12(TXI_NO_RD_WAIT_P)
LL_UL_NS_WR_WAIT_N: R208.2 U3.T9(RXO_SO_WR_WAIT_N) U7.C10(TXI_NO_WR_WAIT_N)
LL_UL_NS_WR_WAIT_P: R208.1 U3.T8(RXO_SO_WR_WAIT_P) U7.C11(TXI_NO_WR_WAIT_P)
LL_UL_SN_DATA_N_0: R264.2 U3.A2(RXI_NO_DATA_N0) U7.R12(TXO_SO_DATA_N0)
LL_UL_SN_DATA_N_1: R256.2 U3.B3(RXI_NO_DATA_N1) U7.T13(TXO_SO_DATA_N1)
LL_UL_SN_DATA_N_2: R244.2 U3.C4(RXI_NO_DATA_N2) U7.U14(TXO_SO_DATA_N2)
LL_UL_SN_DATA_N_3: R236.2 U3.D5(RXI_NO_DATA_N3) U7.V15(TXO_SO_DATA_N3)
LL_UL_SN_DATA_N_4: R243.2 U3.A4(RXI_NO_DATA_N4) U7.R14(TXO_SO_DATA_N4)
LL_UL_SN_DATA_N_5: R235.2 U3.B5(RXI_NO_DATA_N5) U7.T15(TXO_SO_DATA_N5)
LL_UL_SN_DATA_N_6: R228.2 U3.C6(RXI_NO_DATA_N6) U7.U16(TXO_SO_DATA_N6)
LL_UL_SN_DATA_N_7: R220.2 U3.D7(RXI_NO_DATA_N7) U7.V17(TXO_SO_DATA_N7)
LL_UL_SN_DATA_P_0: R264.1 U3.A3(RXI_NO_DATA_P0) U7.R11(TXO_SO_DATA_P0)
LL_UL_SN_DATA_P_1: R256.1 U3.B4(RXI_NO_DATA_P1) U7.T12(TXO_SO_DATA_P1)
LL_UL_SN_DATA_P_2: R244.1 U3.C5(RXI_NO_DATA_P2) U7.U13(TXO_SO_DATA_P2)
LL_UL_SN_DATA_P_3: R236.1 U3.D6(RXI_NO_DATA_P3) U7.V14(TXO_SO_DATA_P3)
LL_UL_SN_DATA_P_4: R243.1 U3.A5(RXI_NO_DATA_P4) U7.R13(TXO_SO_DATA_P4)
LL_UL_SN_DATA_P_5: R235.1 U3.B6(RXI_NO_DATA_P5) U7.T14(TXO_SO_DATA_P5)
LL_UL_SN_DATA_P_6: R228.1 U3.C7(RXI_NO_DATA_P6) U7.U15(TXO_SO_DATA_P6)
LL_UL_SN_DATA_P_7: R220.1 U3.D8(RXI_NO_DATA_P7) U7.V16(TXO_SO_DATA_P7)
LL_UL_SN_FRAME_N: R219.2 U3.B7(RXI_NO_FRAME_N) U7.R10(TXO_SO_FRAME_N)
LL_UL_SN_FRAME_P: R219.1 U3.B8(RXI_NO_FRAME_P) U7.R9(TXO_SO_FRAME_P)
LL_UL_SN_LCLK_N: R227.2 U3.A6(RXI_NO_LCLK_N) U7.V13(TXO_SO_LCLK_N)
LL_UL_SN_LCLK_P: R227.1 U3.A7(RXI_NO_LCLK_P) U7.V12(TXO_SO_LCLK_P)
LL_UL_SN_RD_WAIT_N: R205.2 U3.B9(RXO_NO_RD_WAIT_N) U7.U12(TXI_SO_RD_WAIT_N)
LL_UL_SN_RD_WAIT_P: R205.1 U3.B10(RXO_NO_RD_WAIT_P) U7.U11(TXI_SO_RD_WAIT_P)
LL_UL_SN_WR_WAIT_N: R209.2 U3.C8(RXO_NO_WR_WAIT_N) U7.T11(TXI_SO_WR_WAIT_N)
LL_UL_SN_WR_WAIT_P: R209.1 U3.C9(RXO_NO_WR_WAIT_P) U7.T10(TXI_SO_WR_WAIT_P)
LL_XID3: U7.E7(XID3) U9.82(IO_B1_82)
LL_YID3: U7.F9(YID3) U9.86(IO_B1_86)
LR_CCLK_N: R168.2 R170.1 U8.K1(RXI_WE_CCLK_N)
LR_CCLK_P: R165.1 R167.2 U8.J1(RXI_WE_CCLK_P)
LR_CSBI_XID0: U8.F12(CSBI_XID0) U9.87(IO_B1_87)
LR_CSBO_YID0: U8.E10(CSBO_YID0) U9.91(IO_B1_91)
LR_FLAG_DSP: TP21.1(TP) U8.E12(FLAG) U9.15(IO_B0_15)
LR_LL_WE_DATA_N_0: R180.2 U7.T18(RXI_EA_DATA_N0) U8.H4(TXO_WE_DATA_N0)
LR_LL_WE_DATA_N_1: R188.2 U7.R17(RXI_EA_DATA_N1) U8.G3(TXO_WE_DATA_N1)
LR_LL_WE_DATA_N_2: R194.2 U7.P16(RXI_EA_DATA_N2) U8.F2(TXO_WE_DATA_N2)
LR_LL_WE_DATA_N_3: R199.2 U7.N15(RXI_EA_DATA_N3) U8.E1(TXO_WE_DATA_N3)
LR_LL_WE_DATA_N_4: R179.2 U7.P18(RXI_EA_DATA_N4) U8.F4(TXO_WE_DATA_N4)
LR_LL_WE_DATA_N_5: R187.2 U7.N17(RXI_EA_DATA_N5) U8.E3(TXO_WE_DATA_N5)
LR_LL_WE_DATA_N_6: R193.2 U7.M16(RXI_EA_DATA_N6) U8.D2(TXO_WE_DATA_N6)
LR_LL_WE_DATA_N_7: R198.2 U7.L15(RXI_EA_DATA_N7) U8.C1(TXO_WE_DATA_N7)
LR_LL_WE_DATA_P_0: R180.1 U7.U18(RXI_EA_DATA_P0) U8.G4(TXO_WE_DATA_P0)